# Altium PCB Proyecto_0.PcbDoc (part 1 of 3)
Units mil, origin at the board's own origin, x right, y up, seen from the top; angles counter-clockwise.
Board outline 2559.06 x 1771.65 mil, 10 copper layers (TOP, GND[1], VDD[1], Signal[1], GND[2], VDD[2], Signal[2], GND[3], VDD[3], Bottom Layer), stack 79.883 mil thick; 190 components, 259 nets, 1108 pads, 222 vias.
Unrouted connection lines stored in the file: 746.
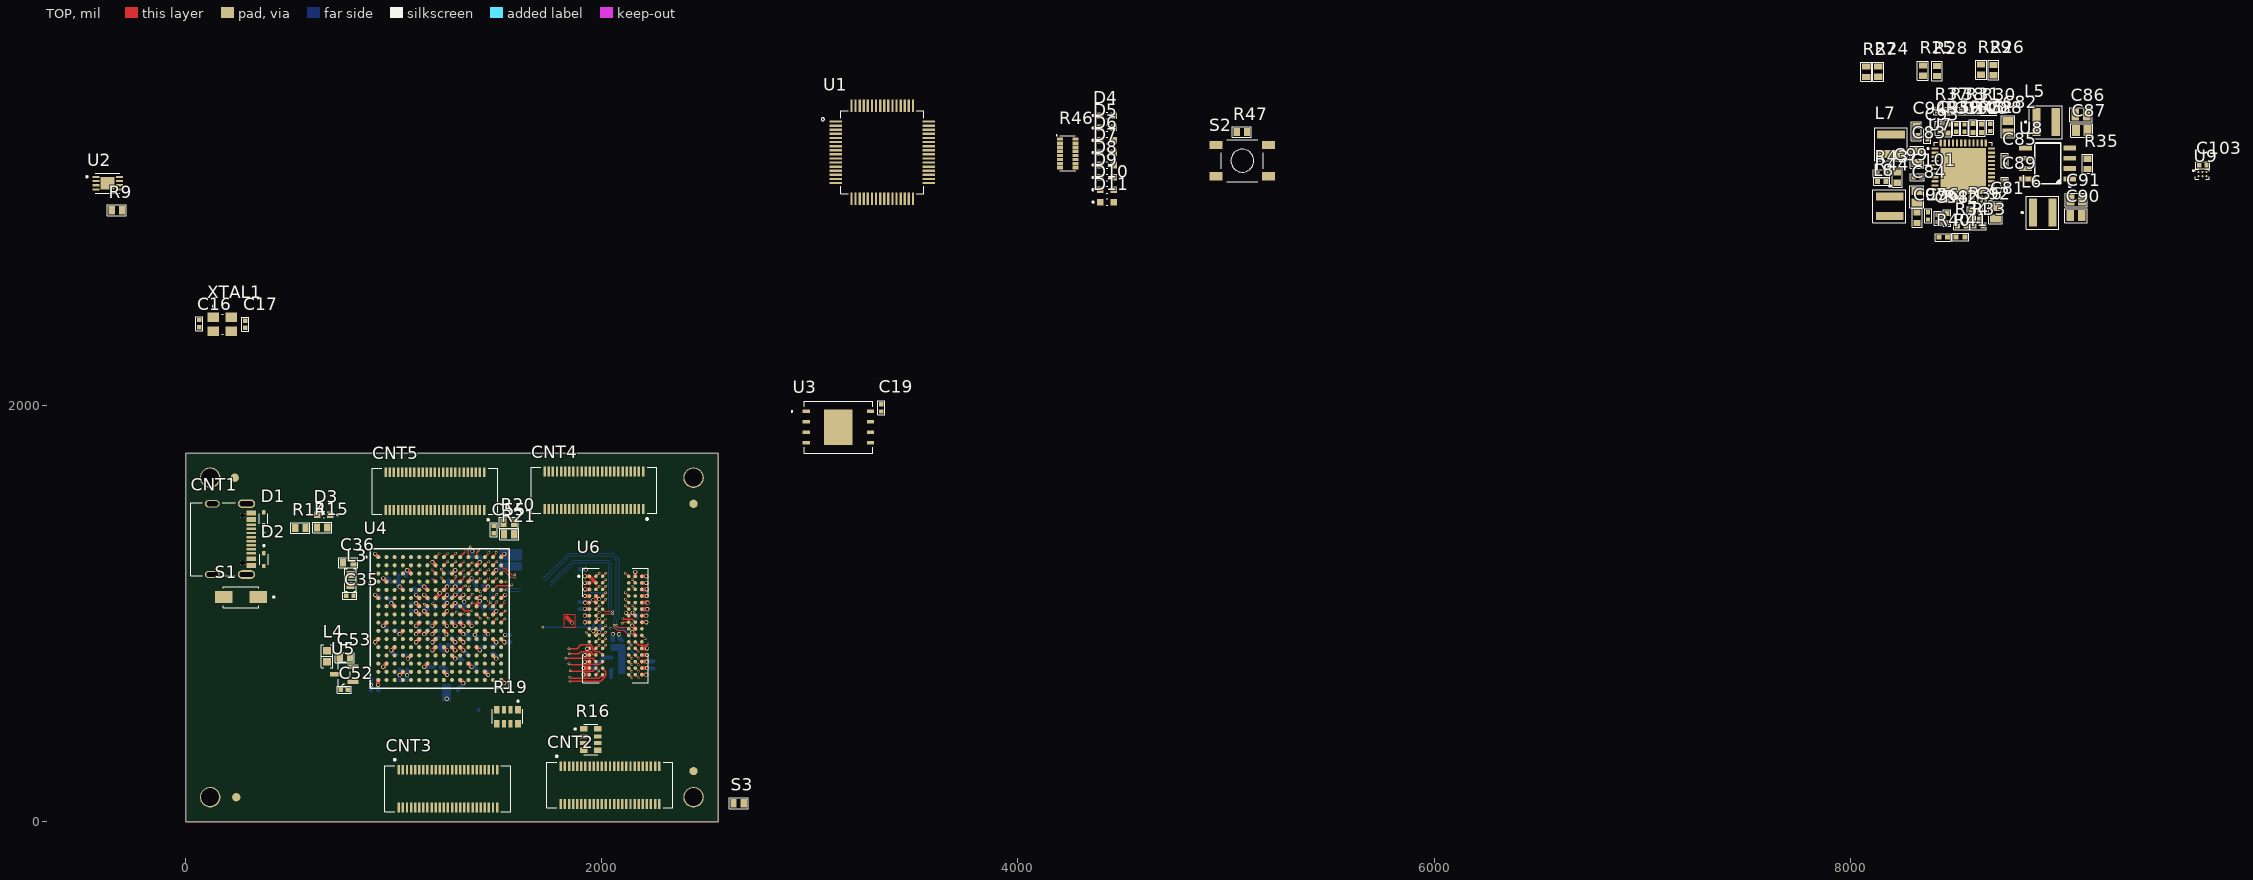
[diagram p0: TOP view]
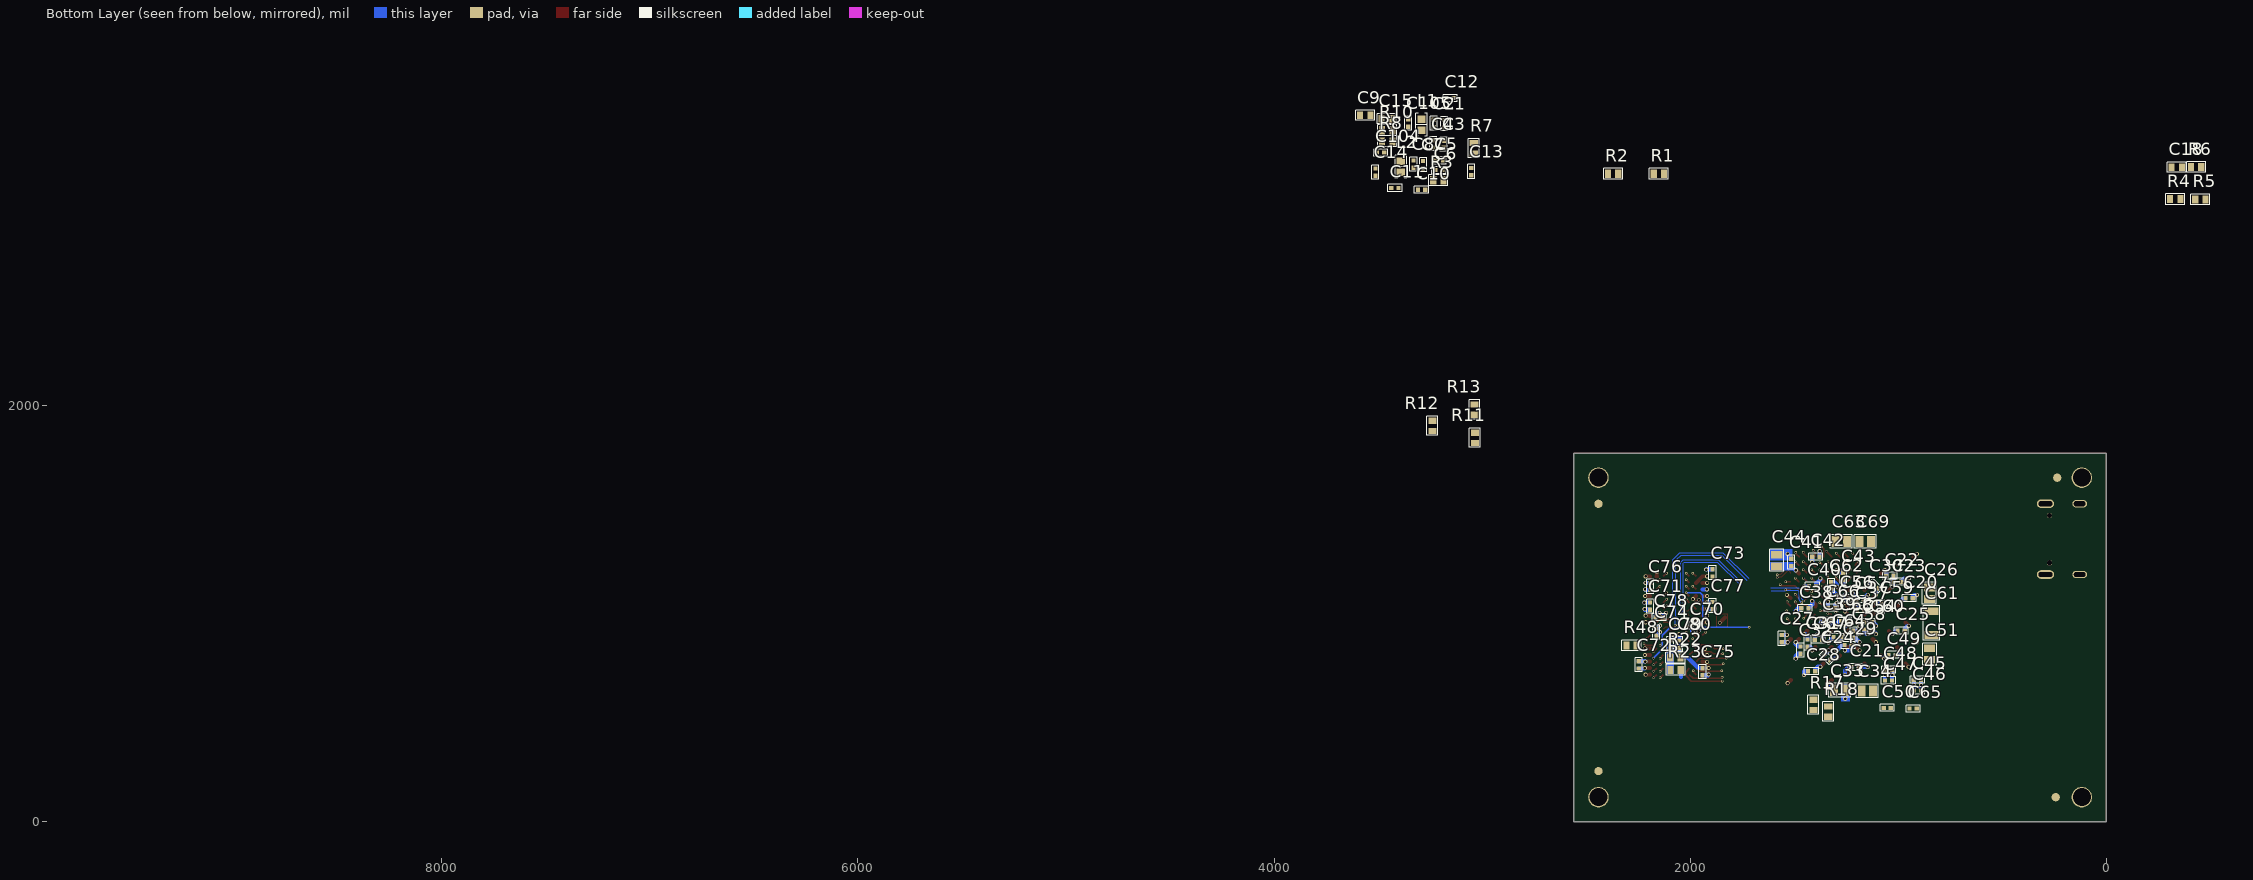
[diagram p1: Bottom Layer view, seen from below]
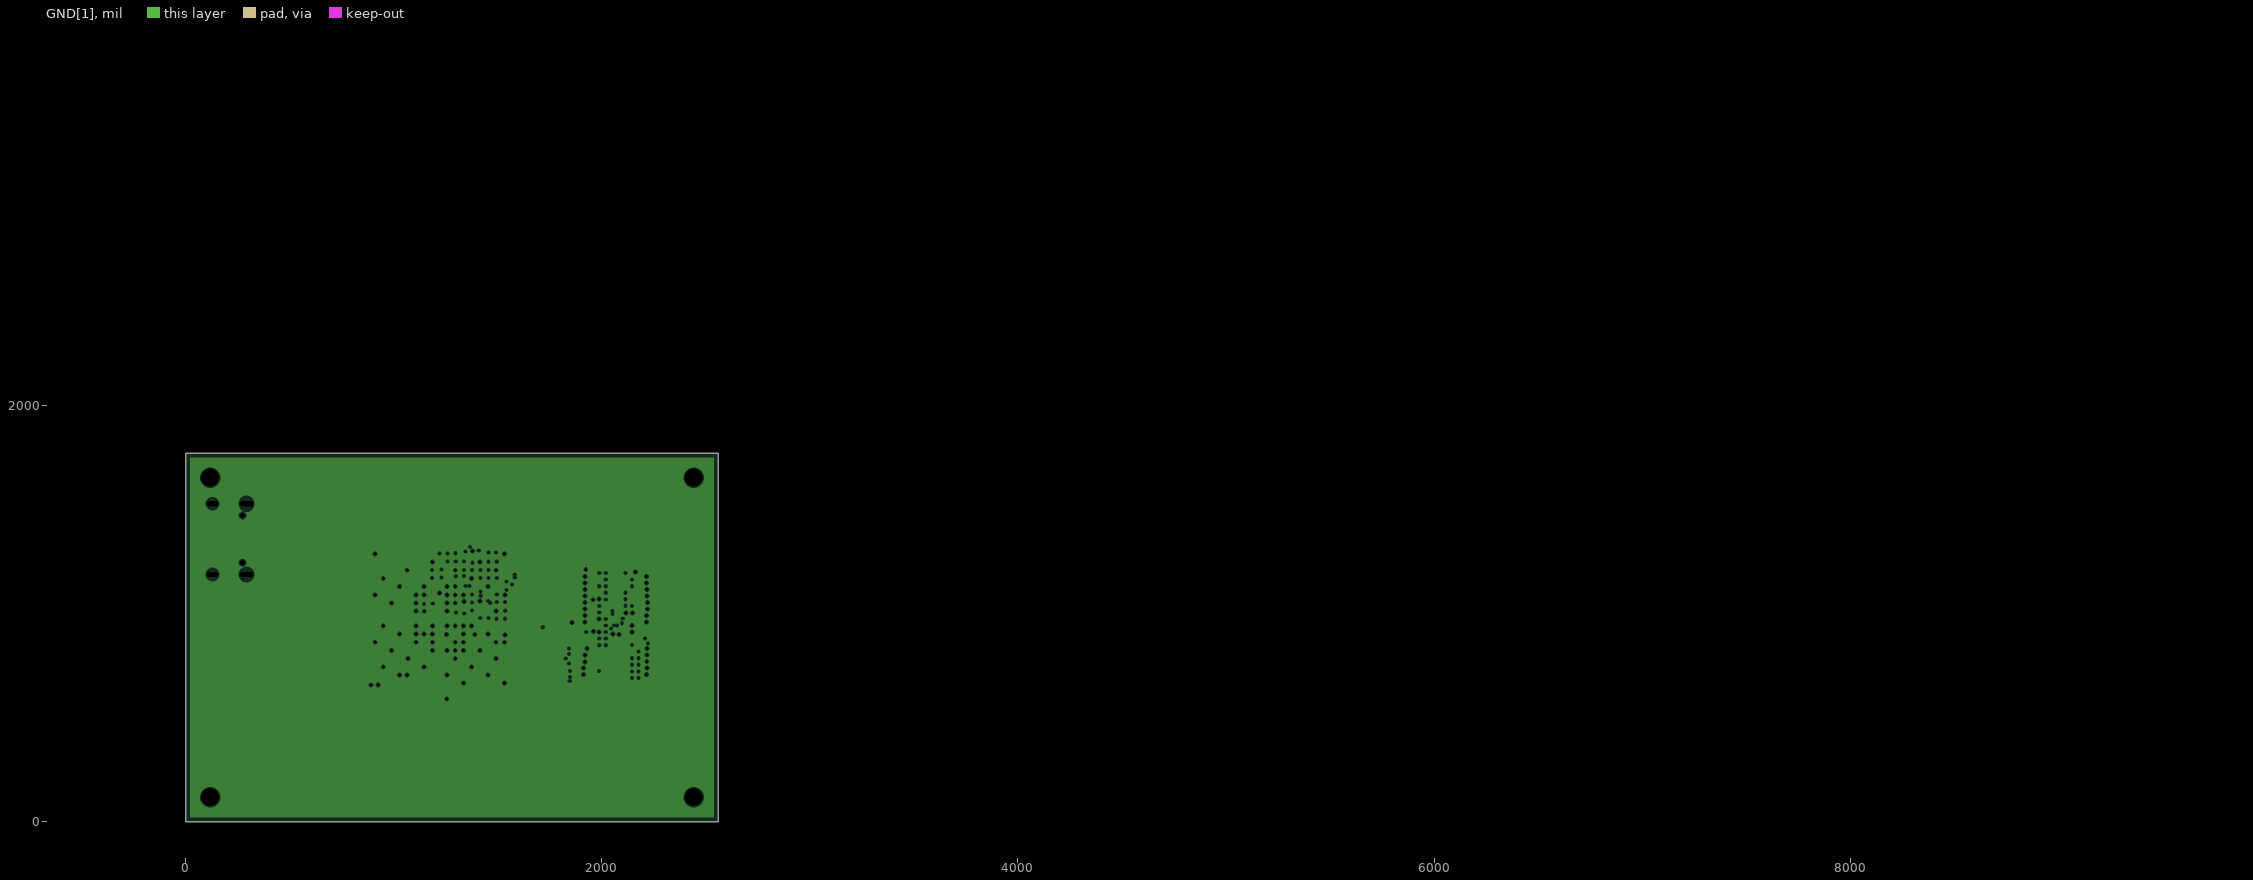
[diagram p2: GND[1], clearances drawn from the general rule]
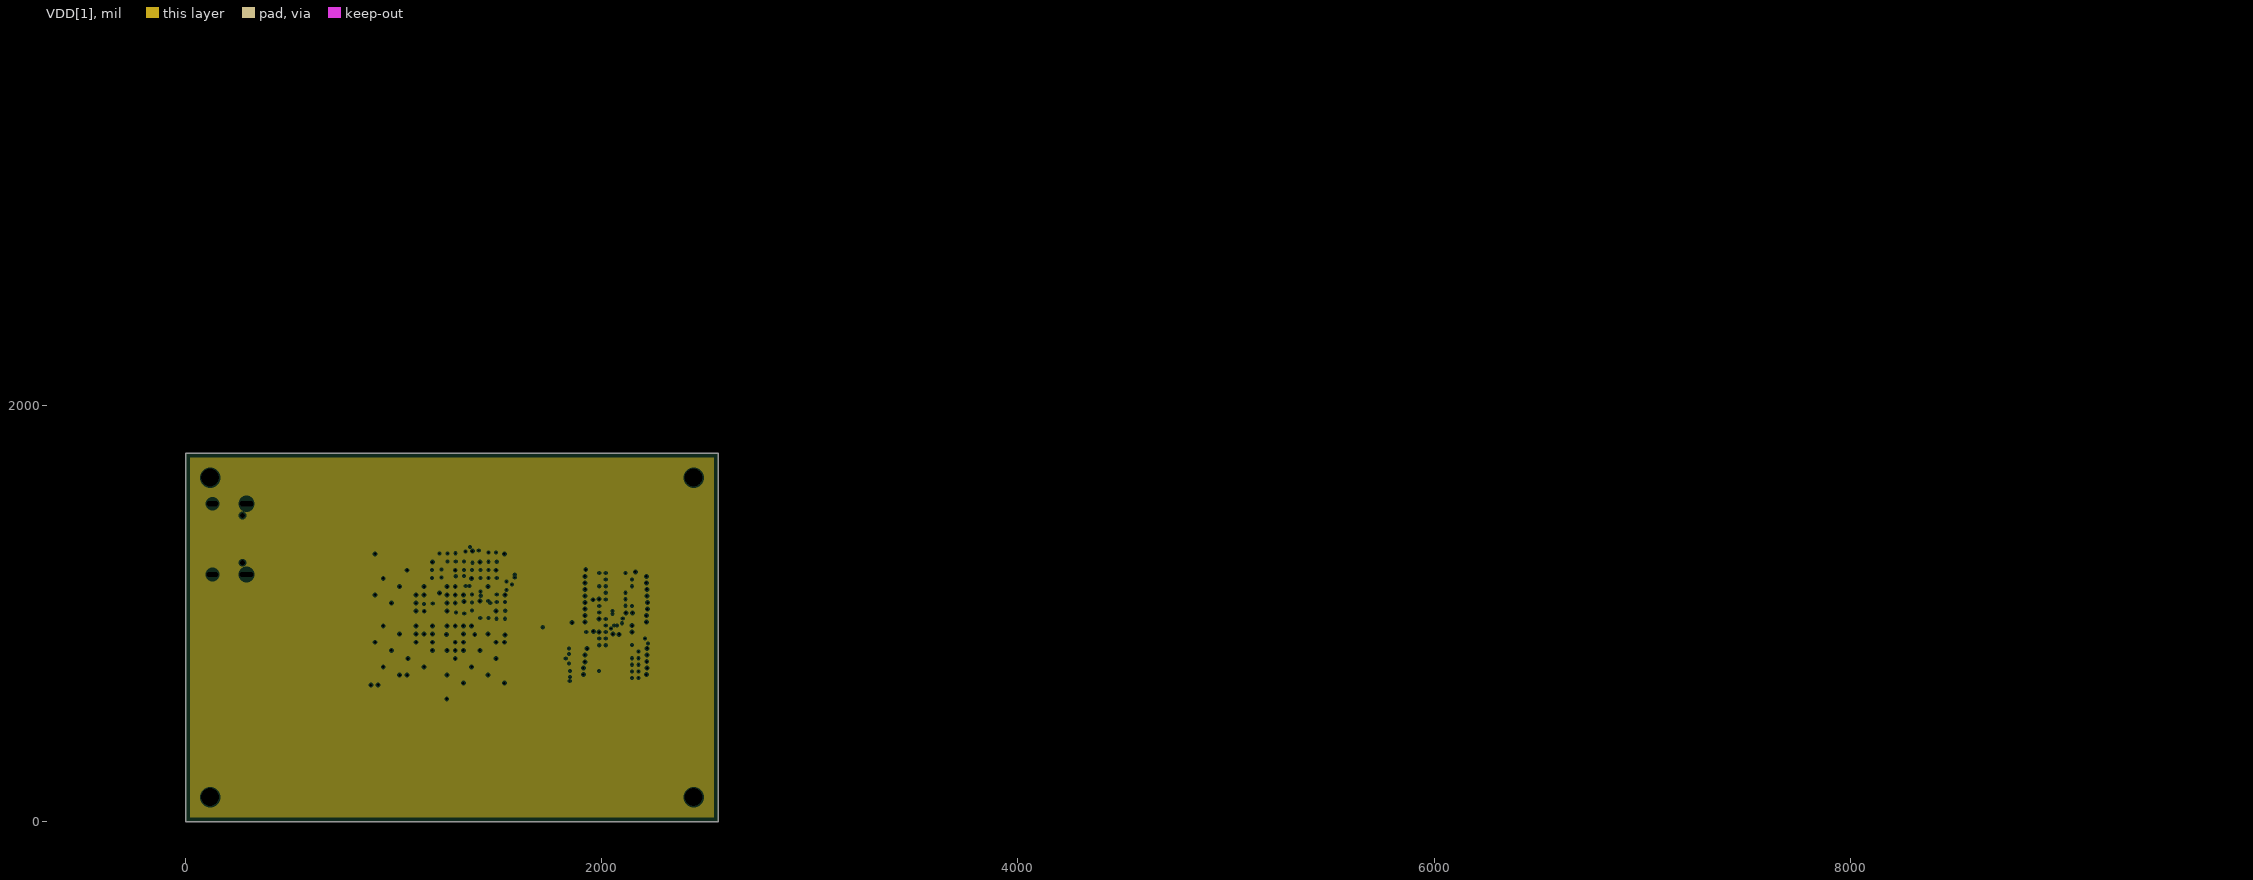
[diagram p3: VDD[1], clearances drawn from the general rule]
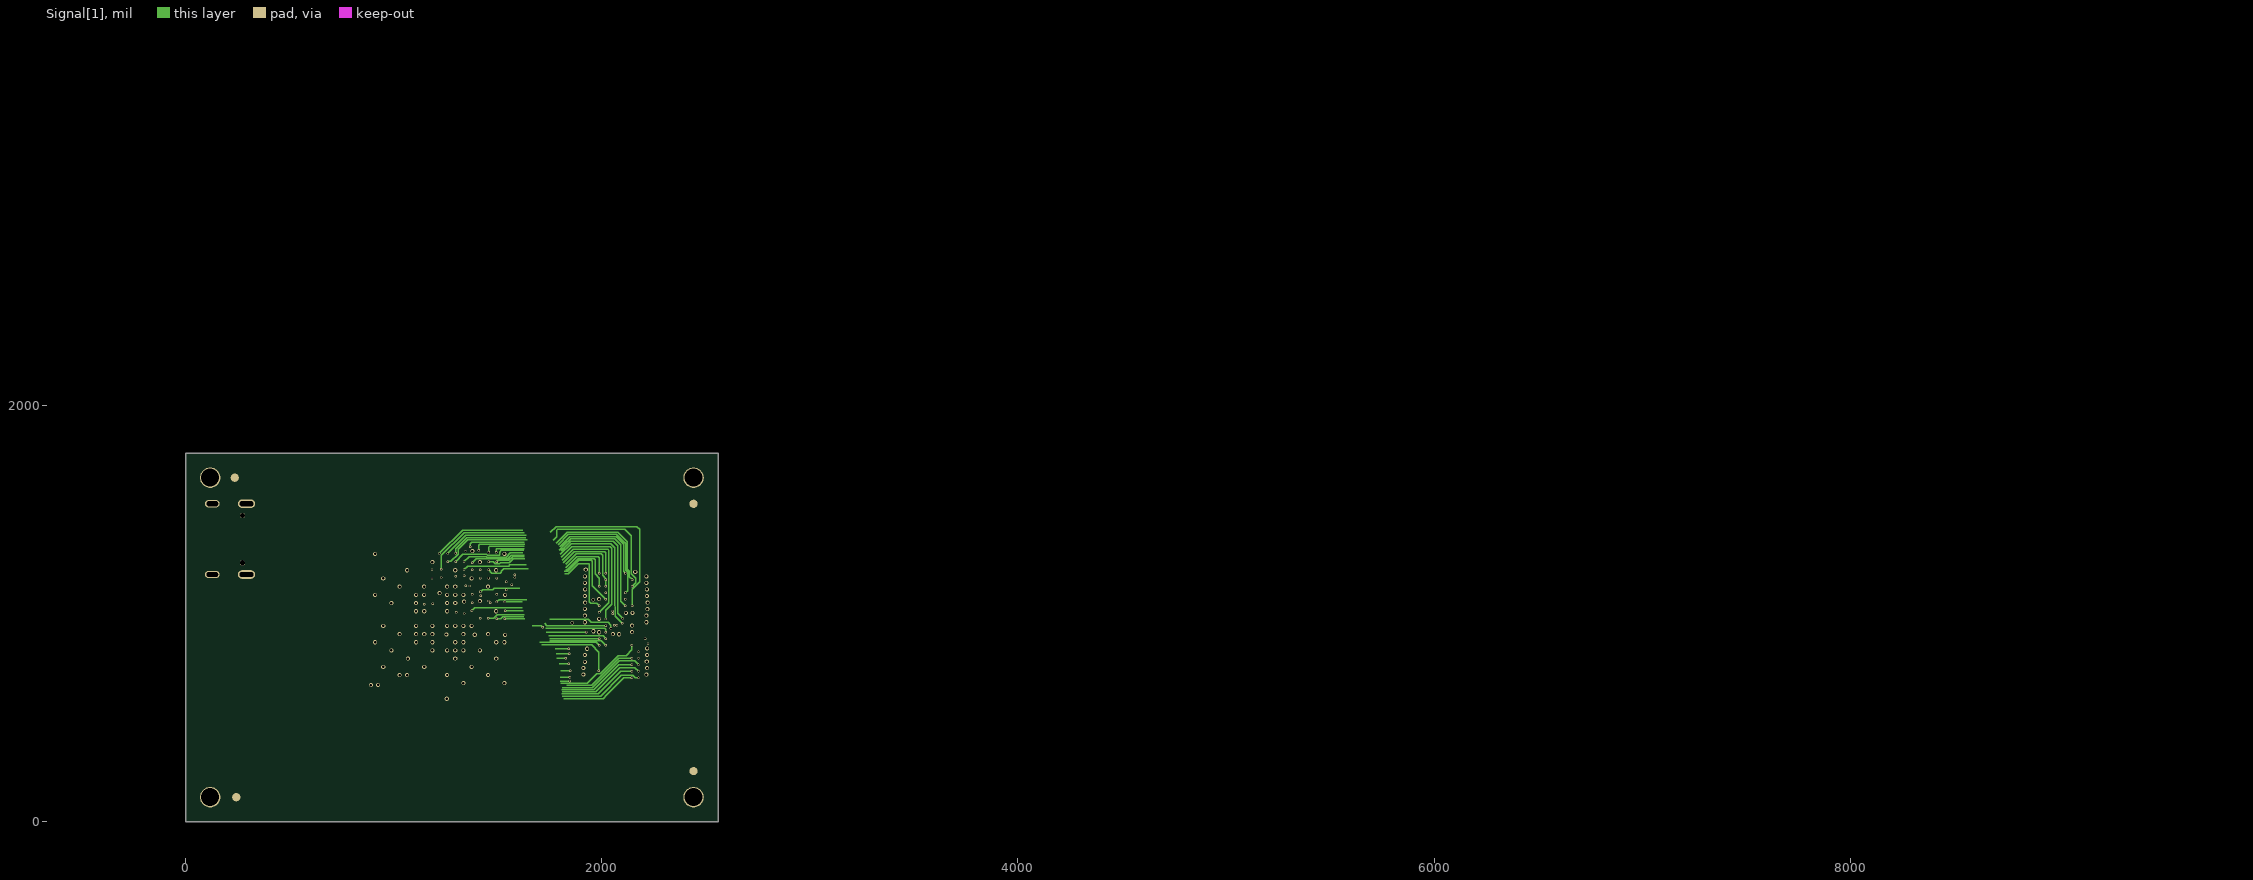
[diagram p4: Signal[1]]
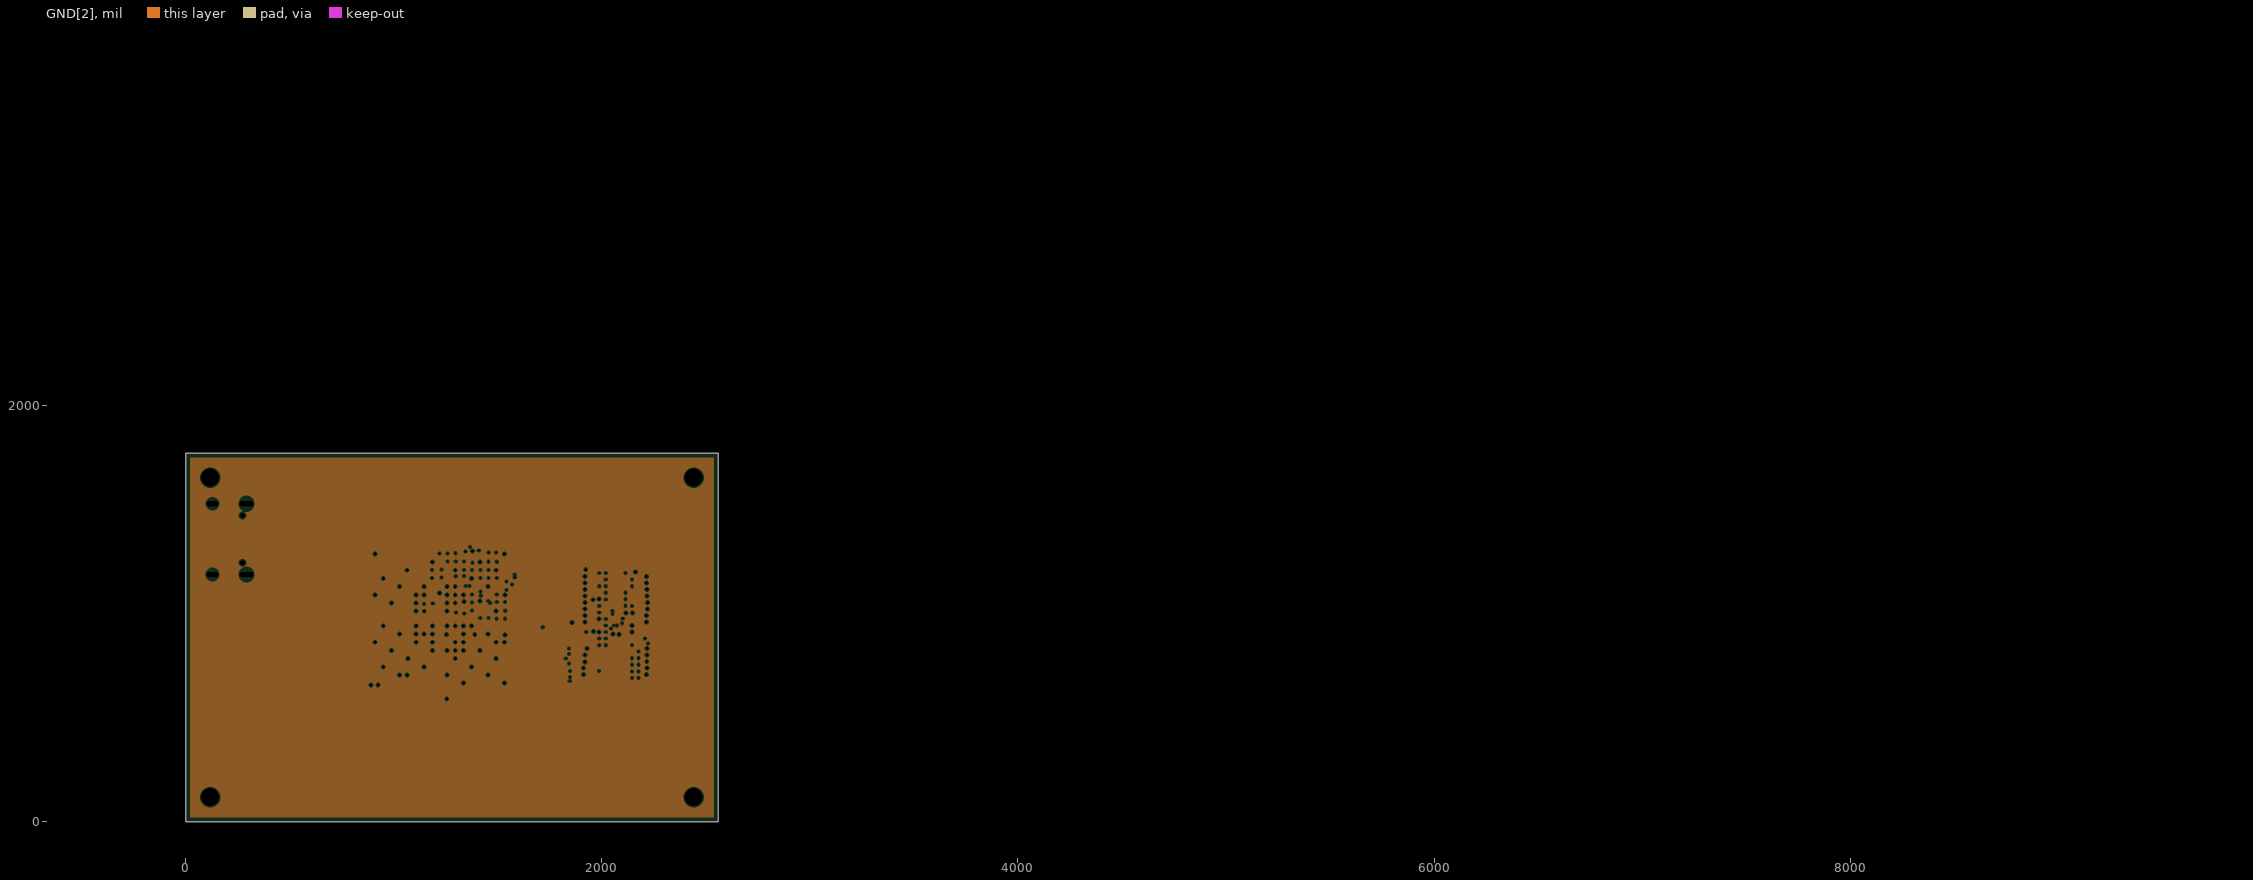
[diagram p5: GND[2], clearances drawn from the general rule]